# Altium PCB 通用工装板.PcbDoc (part 10 of 10)
Units mil, origin at the board's own origin, x right, y up, seen from the top; angles counter-clockwise.
Board outline 5905.51 x 3937.01 mil, 4 copper layers (L1, L2, L3, L4), stack 30.634 mil thick; 601 components, 576 nets, 2543 pads, 2986 vias.
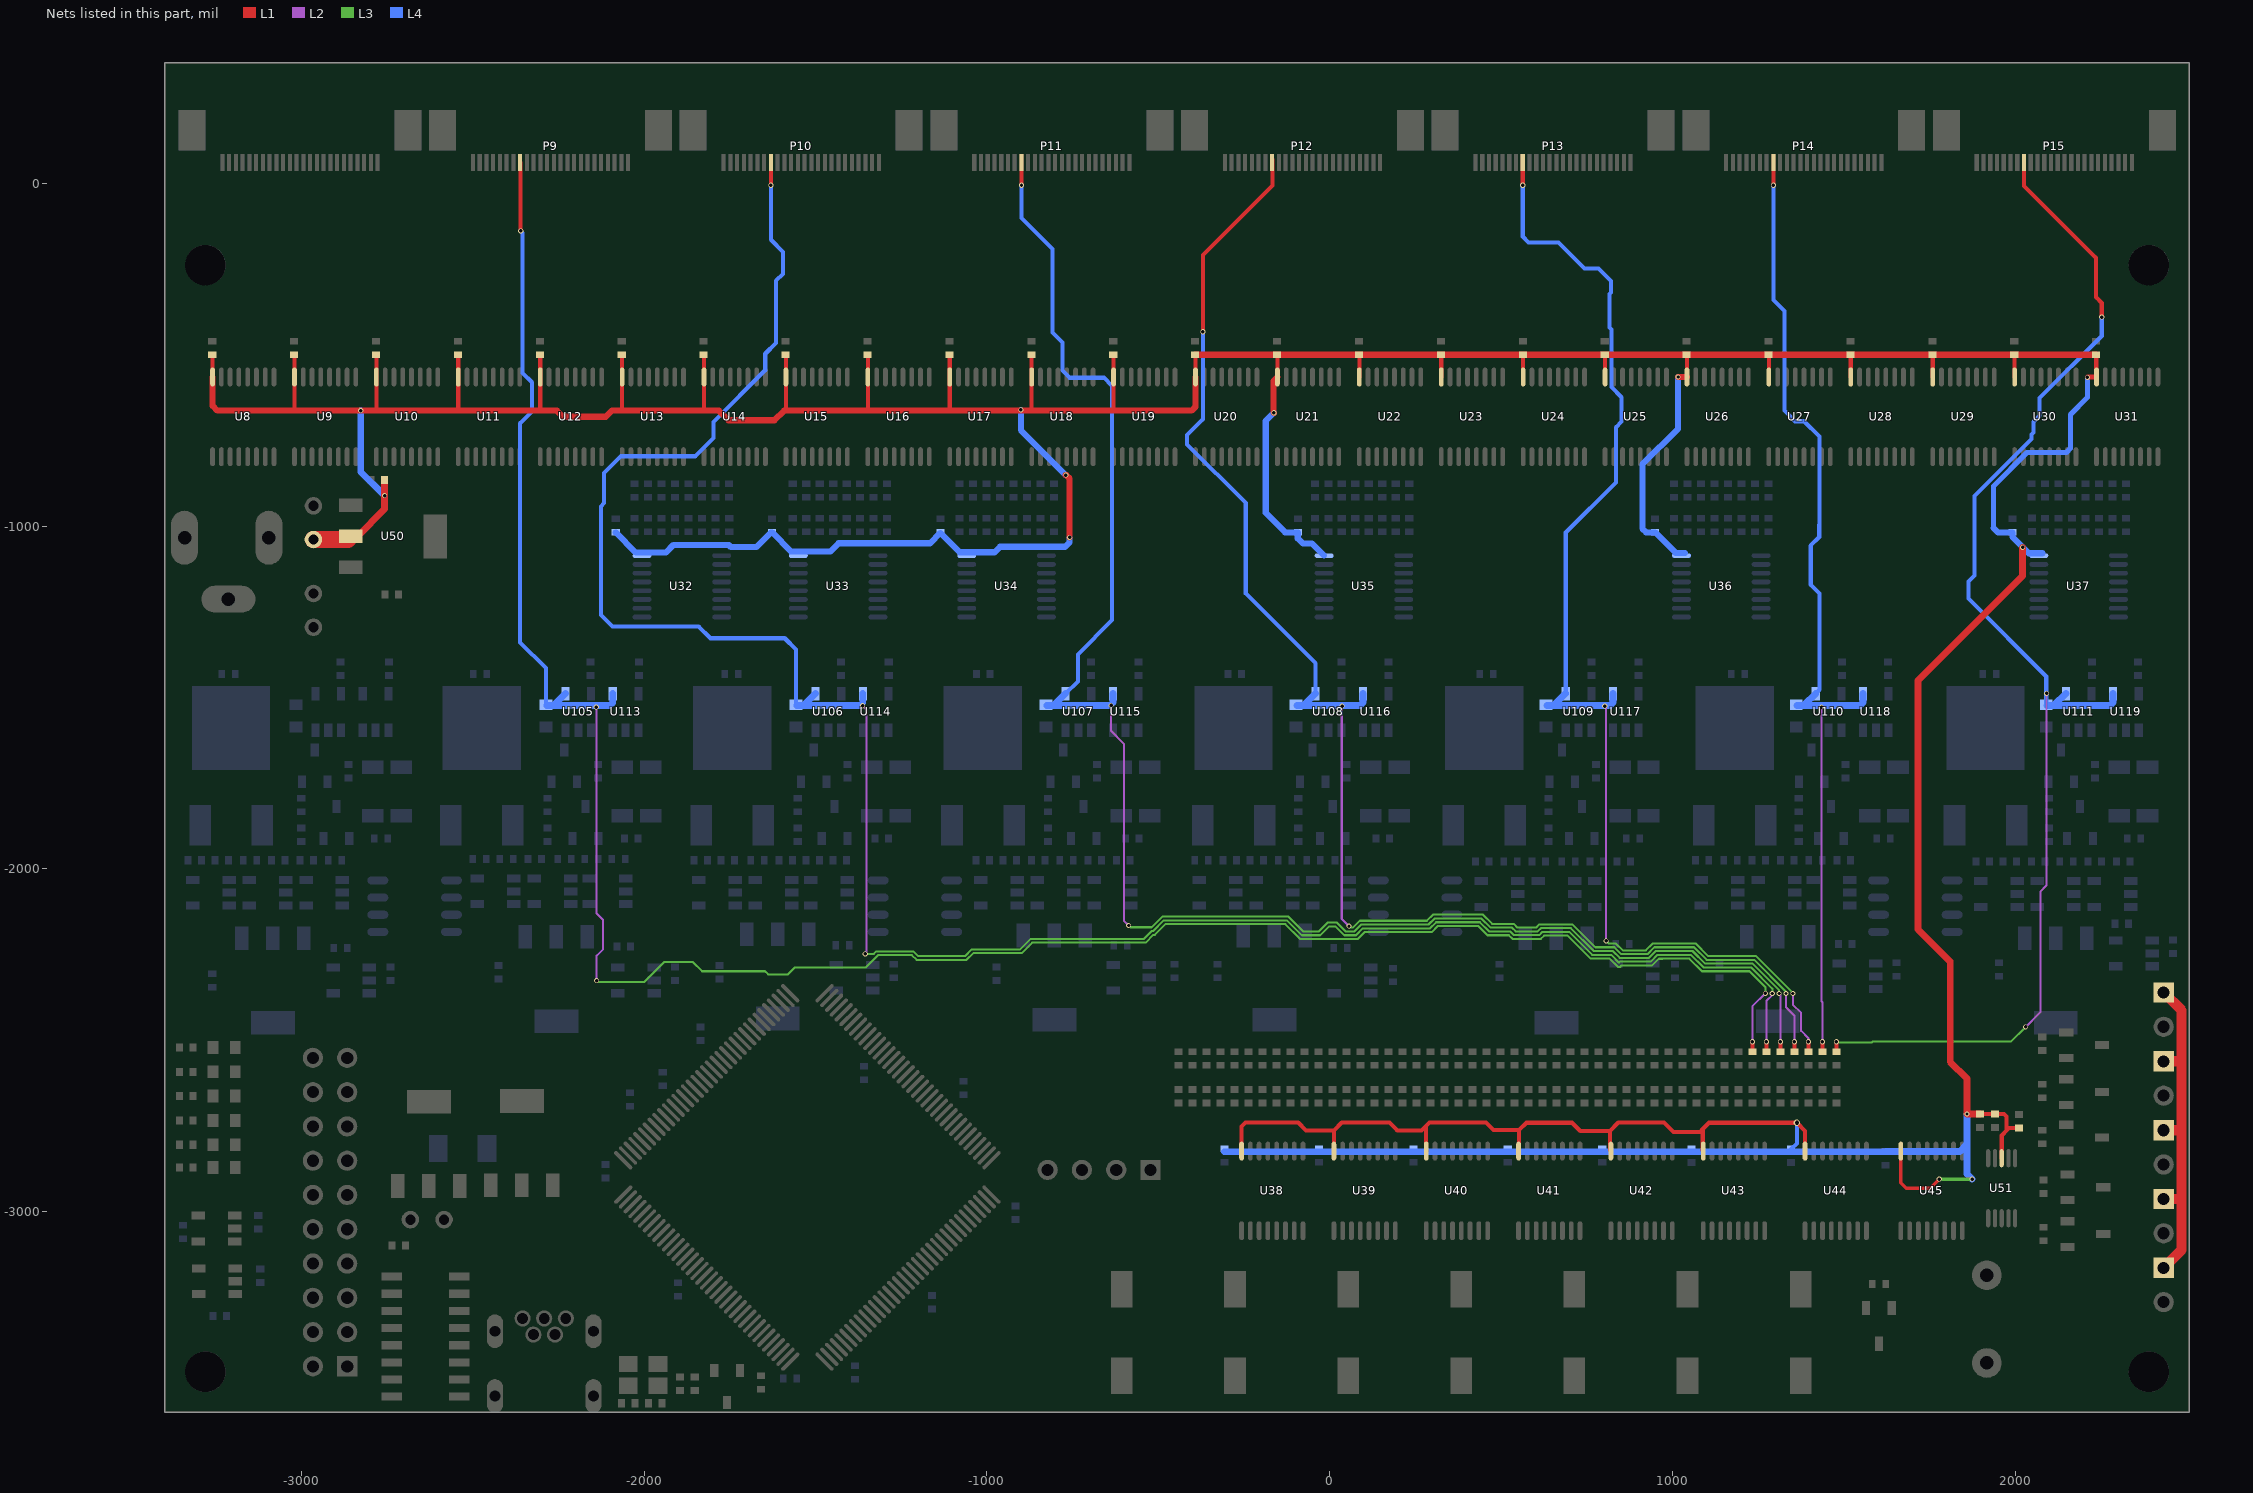
[diagram p12: the nets of this part, all layers, seen from the top]

## Via types
v1: diameter 15, hole 10, L1 to L4, tented both sides, 1853 vias
v2: diameter 18, hole 12, L1 to L4, tented both sides, 1133 vias

## Nets (pads, with @x,y where several pads share a name; then routed paths per layer and width w, separated by ;. In a path a pad name is that pad's centre, name@x,y a point inside that pad or via, vN(x,y) a via of type N, cw(c..) or ccw(c..) an arc to the next point about the centre after c; other vN are vias at no path point) (continued)
VCC+ADJ_1: P9.8 R134.1 R243.2 U105.4 U113.4 | length 6590.2
  L1 w12: P9.8@-2361.21,60.67 -2361.21,-137.79 v1(-2360.32,-138.67) ; R134.1@1233.02,-2533.32 v1(1233.02,-2504)
  L2 w6: v1(-2140,-1528) -2139,-1529 -2139,-2130 -2120,-2149 -2120,-2234 -2139,-2253 v1(-2139,-2326) ; v1(1233.02,-2504) 1233.02,-2400.98 v1(1271,-2363)
  L3 w6: v1(-2139,-2326) -2139,-2325 -2133.5,-2330.5 -2000.66,-2330.5 -1941.66,-2271.5 -1857.94,-2271.5 -1830.94,-2298.5 -1647.66,-2298.5 -1638.66,-2307.5 -1580.43,-2307.5 -1560.43,-2287.5 -1354.06,-2287.5 -1317.97,-2251.41 -1219.14,-2251.41 -1205.06,-2265.5 -1059.65,-2265.5 -1039.65,-2245.5 -898.67,-2245.5 -868.17,-2215 -537.26,-2215 -514.42,-2192.17 -510.64,-2192.17 -479.48,-2161 -129.52,-2161 -86.02,-2204.5 81.05,-2204.5 101.29,-2184.26 297.02,-2184.26 314.77,-2166.5 433.23,-2166.5 460.23,-2193.5 522.5,-2193.5 533,-2204 615.74,-2204 625.24,-2194.5 694.11,-2194.5 761.11,-2261.5 816.62,-2261.5 841.12,-2286 846.56,-2286 851.06,-2281.5 940.5,-2281.5 960,-2262 971,-2262 971.5,-2261.5 1048.98,-2261.5 1085.99,-2298.51 1224.51,-2298.51 1271,-2345 v1(1271,-2363)
  L4 w12: v1(-2360.32,-138.67) -2354.5,-144.49 -2354.5,-553.46 -2327.71,-580.25 -2327.71,-665.75 -2361.89,-699.93 -2361.89,-1339.11 -2286.64,-1414.36 R243.2@-2286.64,-1521.02
  L4 w20: R243.2@-2284.43,-1523.23 -2262.03,-1523.23 ; U105.4@-2229.55,-1488.54 -2262.03,-1521.02 -2262.03,-1523.23 ; U113.4@-2091.76,-1488.54 -2091.76,-1514.23 -2100.76,-1523.23 -2262.03,-1523.23
VCC+ADJ_2: P10.8 R146.1 R244.2 U106.4 U114.4 | length 6493.5
  L1 w12: v1(-1630.56,-5.7) P10.8@-1630.56,60.67 ; R146.1@1273.85,-2533.32 v1(1273.85,-2504)
  L2 w6: v1(-1363,-1524) -1351.5,-1535.5 -1351.5,-2244.5 v1(-1355,-2248) ; v1(1273.85,-2504) 1273.85,-2385.15 1291,-2368 v1(1291,-2363.5)
  L3 w6: v1(-1355,-2248) -1330.11,-2248 -1322.53,-2240.41 -1214.59,-2240.41 -1200.5,-2254.5 -1064.2,-2254.5 -1044.2,-2234.5 -903.23,-2234.5 -872.73,-2204 -541.81,-2204 -518.98,-2181.17 -515.2,-2181.17 -484.03,-2150 -124.96,-2150 -81.46,-2193.5 -28,-2193.5 -2,-2167.5 16.5,-2167.5 42.5,-2193.5 76.49,-2193.5 96.74,-2173.26 292.46,-2173.26 310.22,-2155.5 437.78,-2155.5 464.78,-2182.5 527.06,-2182.5 537.56,-2193 611.19,-2193 620.69,-2183.5 698.67,-2183.5 765.67,-2250.5 821.18,-2250.5 843.84,-2273.16 846.5,-2270.5 935.94,-2270.5 955.94,-2250.5 1053.53,-2250.5 1090.54,-2287.51 1229.07,-2287.51 1291,-2349.44 v1(1291,-2363.5)
  L4 w12: v1(-1630.56,-5.7) -1630.56,-164.44 -1595,-200 -1595,-264 -1615,-284 -1615,-465.17 -1646.92,-497.08 -1646.92,-545.12 -1798,-696.21 -1798,-743 -1851,-796 -2068,-796 -2116.9,-844.9 -2116.9,-932.98 -2126.5,-942.58 -2126.5,-1259.5 -2093,-1293 -1841,-1293 -1807,-1327 -1590,-1327 -1557.17,-1359.83 R244.2@-1557.17,-1521.02
  L4 w20: R244.2@-1554.96,-1523.23 -1532.56,-1523.23 ; U106.4@-1500.08,-1488.54 -1532.56,-1521.02 -1532.56,-1523.23 ; -1371.29,-1523.23 -1532.56,-1523.23 ; -1362.29,-1514.23 U114.4@-1362.29,-1488.54
VCC+ADJ_3: P11.8 R158.1 R245.2 U107.4 U115.4 | length 4954.6
  L1 w12: v1(-899.41,-5.7) P11.8@-899.41,60.67 ; R158.1@1314.68,-2533.32 v1(1314.68,-2504)
  L2 w6: v1(-638,-1523) -638,-1597.5 -600.5,-1635 -600.5,-2151.5 v1(-587,-2165) ; v1(1311,-2363.5) 1314.68,-2367.18 v1(1314.68,-2504)
  L3 w6: v1(-587,-2165) -581.83,-2170.17 -519.75,-2170.17 -488.59,-2139 -120.4,-2139 -76.9,-2182.5 -32.56,-2182.5 -6.56,-2156.5 21.06,-2156.5 47.06,-2182.5 71.94,-2182.5 92.18,-2162.26 287.91,-2162.26 305.66,-2144.5 442.34,-2144.5 469.34,-2171.5 531.61,-2171.5 542.11,-2182 606.63,-2182 616.13,-2172.5 703.23,-2172.5 770.23,-2239.5 825.73,-2239.5 845.73,-2259.5 931.39,-2259.5 951.39,-2239.5 1058.09,-2239.5 1095.1,-2276.51 1233.62,-2276.51 1311,-2353.89 v1(1311,-2363.5)
  L4 w12: v1(-899.41,-5.7) -899.41,-100.55 -809,-190.96 -809,-435 -780,-464 -780,-545.96 -758.96,-567 -659,-567 -635,-591 -635,-1274 -735,-1374 -735,-1452.93 U107.4@-770.61,-1488.54
  L4 w20: R245.2@-825.49,-1523.23 -803.09,-1523.23 ; U107.4@-770.61,-1488.54 -803.09,-1521.02 -803.09,-1523.23 ; v1@-641.81,-1523.23 -803.09,-1523.23 ; -632.81,-1514.23 U115.4@-632.81,-1488.54
VCC+ADJ_4: P12.8 R170.1 R246.2 U108.4 U116.4 | length 4334.2
  L1 w12: v1(-370,-433) -369.5,-432.5 -369.5,-208.71 -167.32,-6.52 P12.8@-167.32,70 ; R170.1@1355.51,-2533.32 v1(1355.51,-2504)
  L2 w6: v1(36,-1525) 35,-1526 35,-2146 v1(56,-2167) ; v1(1331,-2363.5) 1331,-2403 1355.51,-2427.51 v1(1355.51,-2504)
  L3 w6: v1(56,-2167) 56,-2168 59.5,-2171.5 67.38,-2171.5 87.62,-2151.26 283.35,-2151.26 301.11,-2133.5 446.89,-2133.5 473.89,-2160.5 536.17,-2160.5 546.67,-2171 602.07,-2171 611.57,-2161.5 707.78,-2161.5 774.78,-2228.5 830.29,-2228.5 850.29,-2248.5 926.83,-2248.5 946.83,-2228.5 1062.65,-2228.5 1099.66,-2265.51 1238.18,-2265.51 1331,-2358.33 v1(1331,-2363.5)
  L4 w12: v1(-370,-433) -370,-688.04 -416.22,-734.26 -416.22,-761.74 -245,-932.96 -245,-1196 -41.14,-1399.86 U108.4@-41.14,-1488.54
  L4 w20: R246.2@-96.02,-1523.23 -73.62,-1523.23 ; U108.4@-41.14,-1488.54 -73.62,-1521.02 -73.62,-1523.23 ; U116.4@96.66,-1488.54 96.66,-1514.23 87.66,-1523.23 -73.62,-1523.23
VCC+ADJ_5: P13.8 R184.1 R247.2 U109.4 U117.4 | length 3585.9
  L1 w12: v1(562.91,-5.7) P13.8@562.91,60.67 ; R184.1@1396.34,-2533.32 v1(1396.34,-2504)
  L2 w6: v1(802,-1525) 806,-1529 v1(806,-2210) ; v1(1351,-2363.5) 1351,-2396 1375,-2420 1375,-2472 1396.34,-2493.34 v1(1396.34,-2504)
  L3 w6: v1(806,-2210) 813.5,-2217.5 834.84,-2217.5 854.84,-2237.5 922.27,-2237.5 942.27,-2217.5 1067.2,-2217.5 1104.21,-2254.51 1243.93,-2254.51 1351,-2361.58 v1(1351,-2363.5)
  L4 w12: v1(562.91,-5.7) 562.91,-154.87 580.02,-171.98 667.19,-171.98 743.63,-248.42 783.62,-248.42 820.5,-285.3 820.5,-318.5 816,-323 816,-421 821.5,-426.5 821.5,-594.5 851,-624 851,-695.16 834.5,-711.66 834.5,-872.5 688.33,-1018.67 U109.4@688.33,-1488.54
  L4 w20: R247.2@633.45,-1523.23 655.85,-1523.23 ; U109.4@688.33,-1488.54 655.85,-1521.02 655.85,-1523.23 ; U117.4@826.13,-1488.54 826.13,-1514.23 817.13,-1523.23 655.85,-1523.23
VCC+ADJ_6: P14.8 R196.1 R248.2 U110.4 U118.4 | length 2923.2
  L1 w12: v1(1294.07,-5.7) P14.8@1294.07,60.67 ; R196.1@1437.17,-2533.32 v1(1437.17,-2504)
  L2 w6: v1(1435,-1528) 1435,-2386 1437.17,-2388.17 v1(1437.17,-2504)
  L4 w12: v1(1294.07,-5.7) 1294.07,-340.03 1326,-371.96 1326,-663.16 1356.84,-694 1384,-694 1429,-739 1429,-997 ; U110.4@1417.8,-1488.54 1429,-1477.35 1429,-1196.88 1403,-1170.88 1403,-1057.08 1428,-1032.08 1428,-997
  L4 w20: R248.2@1362.92,-1523.23 1385.32,-1523.23 ; U110.4@1417.8,-1488.54 1385.32,-1521.02 1385.32,-1523.23 ; U118.4@1555.6,-1488.54 1555.6,-1514.23 1546.6,-1523.23 1385.32,-1523.23
VCC+ADJ_7: P15.8 R208.1 R249.2 U111.4 U119.4 | length 3800.1
  L1 w12: R208.1@1478,-2533.32 v1(1478,-2504) ; P15.8@2025.23,60.67 2025.23,-7.39 2235,-217.16 2235,-332.16 2252,-349.16 v1(2252,-390)
  L2 w6: v1(2030,-2461) 2073,-2418 2073,-2066 2091,-2048 v1(2091,-1488)
  L3 w6: v1(1478,-2504) 1480,-2506 1581.3,-2506 1583.3,-2504 1987,-2504 v1(2030,-2461)
  L4 w12: R249.2@2090.19,-1521.02 2090.19,-1438.19 1863,-1211 1863,-1162 1881,-1144 1881,-912.21 2047.5,-745.71 2047.5,-732.34 2053.42,-726.42 2053.42,-695.42 2071,-677.84 2071,-626.04 2252,-445.04 v1(2252,-390)
  L4 w20: R249.2@2092.39,-1523.23 2114.8,-1523.23 ; U111.4@2147.28,-1488.54 2114.8,-1521.02 2114.8,-1523.23 ; U119.4@2285.07,-1488.54 2285.07,-1514.23 2276.07,-1523.23 2114.8,-1523.23
VCC_SPDT+5V0: C23.2 C130.2 C131.2 C132.2 C133.2 C134.2 C135.2 C136.2 C137.2 C138.2 C139.2 C140.1 C141.1 C142.1 C143.1 C144.1 C145.1 C146.1 C147.1 C148.1 C149.1 C150.2 C151.2 C152.2 C153.2 C154.2 C155.2 C156.2 C157.2 C158.2 C159.2 C160.1 C161.1 C162.1 C163.1 C164.1 C165.1 C166.1 C167.1 C168.1 C169.1 R172.2 R173.2 U8.16 U9.16 U10.16 U11.16 U12.16 U13.16 U14.16 U15.16 U16.16 U17.16 U18.16 U19.16 U20.16 U21.16 U22.16 U23.16 U24.16 U25.16 U26.16 U27.16 U28.16 U29.16 U30.16 U31.16 U32.16 U33.16 U34.16 U35.16 U36.16 U37.16 U38.16 U39.16 U40.16 U41.16 U42.16 U43.16 U44.16 U45.16 U50.2 U51.8 | length 20106.4
  L1 w10: U45.16@1665.98,-2823.19 1665.98,-2915.98 1681.5,-2931.5 1751.5,-2931.5 v1(1778,-2905)
  L1 w12: C130.2@-3260.2,-500.02 -3259.22,-501.01 U8.16@-3259.22,-564.98 ; C131.2@-3021.25,-500.02 -3020.26,-501.01 U9.16@-3020.26,-564.98 -3020.26,-662.26 -3021,-663 ; C132.2@-2782.29,-500.02 -2781.3,-501.01 U10.16@-2781.3,-564.98 -2781.3,-662.3 -2782,-663 ; -2545,-663 -2542.34,-660.34 U11.16@-2542.34,-564.98 -2542.34,-501.01 C133.2@-2543.33,-500.02 ; -2308,-663 -2303.38,-658.38 U12.16@-2303.38,-564.98 -2303.38,-501.01 C134.2@-2304.37,-500.02 ; -2067,-663 -2064.42,-660.42 U13.16@-2064.42,-564.98 -2064.42,-501.01 C135.2@-2065.41,-500.02 ; C136.2@-1826.45,-500.02 -1825.47,-501.01 U14.16@-1825.47,-564.98 -1825.47,-662.53 -1825,-663 ; C137.2@-1587.49,-500.02 -1586.51,-501.01 U15.16@-1586.51,-564.98 -1586.51,-662.49 -1586,-663 ; C138.2@-1348.53,-500.02 -1347.55,-501.01 U16.16@-1347.55,-564.98 -1347.55,-661.45 -1346,-663 ; -1110,-663 -1108.59,-661.59 U17.16@-1108.59,-564.98 -1108.59,-501.01 C139.2@-1109.57,-500.02 ; C140.1@-870.62,-500.02 -869.63,-501.01 U18.16@-869.63,-564.98 -869.63,-661.37 -868,-663 ; C141.1@-631.66,-500.02 -630.67,-501.01 U19.16@-630.67,-564.98 -630.67,-662.67 -631,-663 ; C142.1@-392.7,-500.02 -391.71,-501.01 U20.16@-391.71,-564.98 ; U38.16@-257.36,-2823.19 -257.36,-2751.36 -246,-2740 -92,-2740 -69,-2763 12,-2763 ; C143.1@-153.74,-500.02 -152.75,-501.01 U21.16@-152.75,-564.98 ; U39.16@12,-2823.17 12,-2763 ; C144.1@85.22,-500.02 86.21,-501.01 U22.16@86.21,-564.98 ; U40.16@281.39,-2823.19 280.5,-2822.3 280.5,-2750.5 ; C145.1@324.18,-500.02 325.17,-501.01 U23.16@325.17,-564.98 ; U41.16@550.77,-2823.19 552,-2821.96 552,-2762 ; C146.1@563.14,-500.02 564.13,-501.01 U24.16@564.13,-564.98 ; C147.1@802.1,-500.02 803.09,-501.01 U25.16@803.09,-564.98 ; U42.16@820.14,-2823.19 817,-2820.05 817,-2764 ; C148.1@1041.06,-500.02 1042.05,-501.01 U26.16@1042.05,-564.98 ; U43.16@1088,-2821.67 1088,-2759 ; C149.1@1280.02,-500.02 1281,-501.01 U27.16@1281,-564.98 ; U44.16@1386.45,-2823.19 1386.45,-2764.45 v2(1362.51,-2740.51) 1106.49,-2740.51 1088,-2759 ; C150.2@1518.98,-500.02 1519.96,-501.01 U28.16@1519.96,-564.98 ; C151.2@1757.94,-500.02 1758.92,-501.01 U29.16@1758.92,-564.98 ; R172.2@1897.28,-2714.92 R173.2@1940.58,-2714.92 1966.92,-2714.92 1974,-2722 1974,-2760 1976.09,-2762.09 ; U51.8@1960.27,-2843.86 1960.27,-2777.91 1976.09,-2762.09 ; C152.2@1996.9,-500.02 1997.88,-501.01 U30.16@1997.88,-564.98 ; C168.1@2011,-2755.69 1982.5,-2755.69 1976.09,-2762.09 ; C153.2@2235.86,-500.02 2235.86,-564 U31.16@2236.84,-564.98 ; 12,-2763 35,-2740 174,-2740 197,-2763 268,-2763 280.5,-2750.5 ; 280.5,-2750.5 291,-2740 456,-2740 478,-2762 552,-2762 ; 552,-2762 573.49,-2740.51 707.17,-2740.51 730.66,-2764 817,-2764 ; 817,-2764 841.5,-2739.5 975.53,-2739.5 1003.03,-2767 1080,-2767 1088,-2759
  L1 w15: v1(2210,-566) 2211.02,-564.98 U31.16@2236.84,-564.98
  L1 w18: U8.16@-3259.22,-564.98 -3259.22,-648.78 -3245,-663 -3021,-663 v1(-2827,-663) -2782,-663 -2545,-663 -2308,-663 -2255.06,-663 -2237.06,-681 -2112,-681 -2094,-663 -2067,-663 -1825,-663 -1782.06,-663 -1754.06,-691 -1619.94,-691 -1591.94,-663 -1586,-663 -1346,-663 -1110,-663 -868,-663 -631,-663 -403,-663 -391.71,-651.71 U20.16@-391.71,-564.98 ; v1(-770,-851) -769,-851 -759,-861 v1(-759,-1033) ; C142.1@-392.7,-500.02 C143.1@-153.74,-500.02 C144.1@85.22,-500.02 C145.1@324.18,-500.02 C146.1@563.14,-500.02 C147.1@802.1,-500.02 C148.1@1041.06,-500.02 C149.1@1280.02,-500.02 C150.2@1518.98,-500.02 C151.2@1757.94,-500.02 C152.2@1996.9,-500.02 C153.2@2235.86,-500.02 ; v1(-163,-669) -164,-668 -164,-576.23 U21.16@-152.75,-564.98 ; v1(1016,-565) U26.16@1042.05,-564.98
  L1 w20: U50.2@-2855.68,-1029.88 -2836.88,-1029.88 -2757.32,-950.32 v1(-2757.32,-911) C169.1@-2757.32,-865 ; R172.2@1897.28,-2714.92 1859.08,-2714.92 v1(1859,-2715) 1859,-2611.68 1810,-2562.68 1810,-2270 1716,-2176 1716,-1450.18 2021,-1145.18 v1(2021,-1062)
  L1 w50: C23.2@-2964.93,-1039.05 U50.2@-2864.84,-1039.05
  L3 w10: v1(1778,-2905) v1(1874,-2905)
  L4 w12: C161.1@1346,-2817.32 1362.51,-2800.81 v2(1362.51,-2740.51)
  L4 w15: 1936,-1005 1936,-883.37 2034.37,-785 2149,-785 2161,-773 2161,-674 2210,-625 v1(2210,-566)
  L4 w18: C159.2@-2083.04,-1018.07 -2024.11,-1077 -1937,-1077 -1915,-1055 -1752.91,-1055 -1746.91,-1061 -1672.6,-1061 -1629.67,-1018.07 C158.2@-1627.13,-1018.07 -1571.2,-1074 -1457,-1074 -1433,-1050 -1166,-1050 -1135.8,-1019.8 -1079.59,-1076 -978,-1076 -962,-1060 -772,-1060 -759,-1047 v1(-759,-1033) ; v1(-901,-661) -901,-720 v1(-770,-851) ; v1(-163,-669) -187,-693 -187,-961 -129.93,-1018.07 C156.2@-93.28,-1018.07 -93.28,-1035.72 -78,-1051 -51.49,-1051 U35.16@-16.5,-1085.98 ; v1(1016,-565) 1016,-716 912,-820 912,-1007 923.07,-1018.07 C155.2@949.24,-1018.07 1009.17,-1078 1036,-1078 ; 1936,-1005 1949.07,-1018.07 C154.2@1991.76,-1018.07 1991.76,-1031.76 2039,-1079 2079,-1079
  L4 w20: v1(-2827,-663) -2827,-841.32 v1(-2757.32,-911) ; C167.1@-307.45,-2825.16 C160.1@1621.68,-2825.16 1622.84,-2824 1838,-2824 1859,-2803 ; v1(1859,-2715) 1859,-2803 ; v1(1874,-2905) 1859,-2890 1859,-2803
VIN+12V0: P2.1 P3.1 P4.1 P5.1 P6.1 | length 997.9
  L1 w30: P2.1@2432.71,-3163.74 2485,-3111.45 2485,-2412.88 P6.1@2432.71,-2360.59 ; P3.1@2432.71,-2962.95 2483.05,-2962.95 ; P4.1@2432.71,-2762.17 2482.17,-2762.17 ; P5.1@2432.71,-2561.38 2484.38,-2561.38
pads on no net: J1.4 U1.7 U1.8 U1.9 U1.10 U1.11 U1.12 U1.13 U1.14 U1.15 U2.6 U2.14 U2.15 U2.47 U2.49 U2.50 U2.53 U2.54 U2.55 U2.79 U2.80 U2.81 U2.82 U2.85 U2.86 U2.93 U2.96 U2.97 U2.106 U2.110 U2.122 U2.123 U2.132 U3.4 U4.4 U5.4 U7.4 U50.4 U51.2 U51.6 U51.7 U52.4 U53.4 U54.4 U55.4 U56.4 U57.4 U58.4 U59.4 U60.4 U61.4 U62.4 U63.4 U64.4 U65.4 U66.4 U67.4 U68.4 U69.4 U70.4 U71.4 U72.4 U73.4 U74.4 U75.4 U76.4 U77.4 U78.4 U79.4 U80.4 U81.4 U82.4 U83.4 U84.4 U85.4 U86.4 U87.4 U88.4 U89.4 U90.4 U91.4

## Polygon pours and split planes (outlines as drawn)
VCC+12V0 on L3 "Top Layer-No Net" (solid, remove dead copper, pour order 6): -3325.88,-1492.88 -3325.88,-914.88 -3280,-869 -3266,-883 -2922,-883 -2800,-883 -2223,-1460
VCC+12V0 on L3 "Top Layer-No Net" (solid, remove dead copper, pour order 0): -3327,-2237 -3327,-1930 -3327,-1793 -3327,-1494 -3261,-1428 -3255,-1422 -2815,-1422 2386,-1422 2403,-1439 2402,-1440 2402,-2206.99
GND on L2 "Top Layer-No Net" (solid, remove dead copper, pour order 8): -3384,336 -3384,-3571 2475,-3571 2476,-3572 2488,-3572 2488,322 2490,324
GND on L1 "Top Layer-No Net" (solid, remove dead copper, pour order 16): -3384,336 -3384,-3571 2475,-3571 2476,-3572 2488,-3572 2488,322 2490,324
GND on L1 "Top Layer-No Net" (solid, remove dead copper, pour order 12): -3366,176 -3368,174 -3368,-1104 -3293,-1104 -3274,-1085 -3284,-1075 -3284,-301 -3284,-33 -3241,10 -3248,17 -3248,168
GND on L1 "Top Layer-No Net" (solid, remove dead copper, pour order 10): -3276,189 -3279,186 -3279,-60 -3279,-80 -3213,-146 -3201,-158 -3201,-287 -3201,-300 -3238,-337 -3308,-407 -3308,-520 -3308,-1071 -3311,-1074 -3316,-1079 -3355,-1079 -3355,192 -3356,193
GND on L4 "Top Layer-No Net" (solid, remove dead copper, pour order 18): -3384,336 -3384,-3571 2475,-3571 2476,-3572 2488,-3572 2488,322 2490,324

## Other copper
L1:
  rectangle net GND: 260,114 316,202
  rectangle net GND: -3391,-1115 -3345,336
  rectangle net VCC+12V0: -2570,-2532 -2518,-2497
  rectangle net VCC+12V0: -2591,-2532 -2538,-1875
  rectangle net GND: 329,131 974,184
  rectangle net GND: 929,155.16 2467,212
  rectangle net GND: -3359,148 -1087,338
  pour cut-out: -3277,-2340 2533,-2340 2560,-2367 2557,-2370 2557,-2464 2530,-2491 2526,-2487 -3277,-2487
L2:
  pour cut-out: -3390,-2341 2533,-2341 2560,-2368 2557,-2371 2557,-2465 2530,-2492 2526,-2488 -3439,-2488
L4:
  rectangle net GND: 411,-236 450,197
  rectangle net GND: -433,-236 444,-152
  rectangle net GND: -433,-205 -355,146
  rectangle net VCC+12V0: -2591,-2532 -2541,-2497
  rectangle net VCC+12V0: -2560,-2934 -2518,-2497
  rectangle net VCC+12V0: -90,-2174 -52,-2139
  rectangle net GND: 197,97 358,214
  rectangle net GND: 411,141 957,197
  rectangle net GND: 928,156 2442,211
  rectangle net GND: -3358,176 -355,338
  rectangle net GND: -1487,-1974.76 -1449.18,-1965
  pour cut-out: -3277.02,-2341 2533,-2341 2560,-2368 2557,-2371 2557,-2465 2530,-2492 2526,-2488 -3277.02,-2488
  region net GND: 232,110 235.3,106.7 215,4 291,6 363,-66 363,-163 362,-164 424,-164 424,-63 362,-1 362,37 372,47 372,118

## Silkscreen, mask and mechanical layers (free items; w line width, h text height)
Top Overlay:
  text "瑞臻信息技术-PCBA通用测试工装板-V1.00" at -1745,-1199 h150
  text "201903" at 856,-1284 h50
  text "Designed By Reason" at -1723,-1296 h50
  text "C" at -638,-2782 h50
  text "G" at -539,-2782 h50
  text "V" at -817,-2785 h50
  text "D" at -738,-2787 h50
Mechanical 1:
  the board outline again, w2
Drill Drawing:
  circle w10: c-3549.38,1242.27 r33.33
  lines w10: -3582.71,908.94 -3516.04,908.94 -3516.04,975.61 -3582.71,975.61 -3582.71,908.94 ; -3582.71,1075.61 -3566.04,1075.61 -3566.04,1058.94 -3532.71,1058.94 -3532.71,1075.61 -3516.04,1075.61 -3516.04,1108.94 -3532.71,1108.94 -3532.71,1125.61 -3566.04,1125.61 -3566.04,1108.94 -3582.71,1108.94 -3582.71,1075.61 ; -3582.71,1358.94 -3582.71,1375.61 -3566.04,1392.27 -3582.71,1408.94 -3582.71,1425.61 -3566.04,1425.61 -3549.38,1408.94 -3532.71,1425.61 -3516.04,1425.61 -3516.04,1408.94 -3532.71,1392.27 -3516.04,1375.61 -3516.04,1358.94 -3532.71,1358.94 -3549.38,1375.61 -3566.04,1358.94 -3582.71,1358.94 ; -3582.71,1575.61 -3516.04,1575.61 -3549.38,1508.94 -3582.71,1575.61 ; -3582.71,1658.94 -3549.38,1675.61 -3516.04,1658.94 -3532.71,1692.27 -3516.04,1725.61 -3549.38,1708.94 -3582.71,1725.61 -3566.04,1692.27 -3582.71,1658.94 ; -3582.71,1825.61 -3566.04,1825.61 -3549.38,1808.94 -3532.71,1825.61 -3516.04,1825.61 -3532.71,1842.27 -3516.04,1858.94 -3532.71,1858.94 -3549.38,1875.61 -3566.04,1858.94 -3582.71,1858.94 -3566.04,1842.27 -3582.71,1825.61 ; -3582.71,1992.27 -3549.38,1958.94 -3516.04,1992.27 -3549.38,2025.61 -3582.71,1992.27 ; -3582.71,2108.94 -3516.04,2108.94 -3516.04,2175.61 -3582.71,2175.61 -3582.71,2108.94 ; -3569.38,922.27 -3529.38,922.27 -3529.38,962.27 -3569.38,962.27 -3569.38,922.27
  lines w15: -3642.5,863.94 9765.73,863.94 ; -3642.5,2213.94 9765.73,2213.94 ; -3091.62,713.94 -3091.62,2363.94 ; -2431.8,713.94 -2431.8,2363.94 ; -1312.13,713.94 -1312.13,2363.94 ; -806.25,713.94 -806.25,2363.94 ; -72.45,713.94 -72.45,2363.94 ; 1117.2,713.94 1117.2,2363.94 ; 1707.05,713.94 1707.05,2363.94 ; 2452.85,713.94 2452.85,2363.94 ; 3722.47,713.94 3722.47,2363.94 ; 4576.24,713.94 4576.24,2363.94 ; 5909.85,713.94 5909.85,2363.94 ; 7243.45,713.94 7243.45,2363.94 ; 8363.13,713.94 8363.13,2363.94 ; -3642.5,713.94 9765.73,713.94 9765.73,2363.94 -3642.5,2363.94 -3642.5,713.94
  text "Symbol" at -3552.5,2258.94 h72
  text "Count" at -3046.62,2258.94 h72
  text "Hole Size" at -2386.8,2258.94 h72
  text "Plated" at -1267.13,2258.94 h72
  text "Hole Type" at -761.25,2258.94 h72
  text "Drill Layer Pair" at -27.45,2258.94 h72
  text "Via/Pad" at 1162.2,2258.94 h72
  text "Pad Shape" at 1752.05,2258.94 h72
  text "Template" at 2497.85,2258.94 h72
  text "Description" at 3767.47,2258.94 h72
  text "Hole Tolerance (+)" at 4621.24,2258.94 h72
  text "Hole Tolerance (-)" at 5954.85,2258.94 h72
  text "Hole Length" at 7288.45,2258.94 h72
  text "Routed Path Length" at 8408.13,2258.94 h72
  text "2" at -3046.62,2108.94 h60
  text "39.37mil (1.000mm)" at -2386.8,2108.94 h60
  text "PTH" at -1267.13,2108.94 h60
  text "Round" at -761.25,2108.94 h60
  text "L1 - L4" at -27.45,2108.94 h60
  text "Pad" at 1162.2,2108.94 h60
  text "Rounded" at 1752.05,2108.94 h60
  text "c220h100" at 2497.85,2108.94 h60
  text "-" at 7288.45,2108.94 h60
  text "-" at 8408.13,2108.94 h60
  text "3" at -3046.62,1958.94 h60
  text "39.37mil (1.000mm)" at -2386.8,1958.94 h60
  text "PTH" at -1267.13,1958.94 h60
  text "Slot" at -761.25,1958.94 h60
  text "L1 - L4" at -27.45,1958.94 h60
  text "Pad" at 1162.2,1958.94 h60
  text "Rounded" at 1752.05,1958.94 h60
  text "r400_200h100_300r100" at 2497.85,1958.94 h60
  text "118.11mil (3.000mm)" at 7288.45,1958.94 h60
  text "78.74mil (2.000mm)" at 8408.13,1958.94 h60
  text "4" at -3046.62,1808.94 h60
  text "31.50mil (0.800mm)" at -2386.8,1808.94 h60
  text "PTH" at -1267.13,1808.94 h60
  text "Slot" at -761.25,1808.94 h60
  text "L1 - L4" at -27.45,1808.94 h60
  text "Pad" at 1162.2,1808.94 h60
  text "Rounded" at 1752.05,1808.94 h60
  text "r250_120h80_200r100" at 2497.85,1808.94 h60
  text "78.74mil (2.000mm)" at 7288.45,1808.94 h60
  text "47.24mil (1.200mm)" at 8408.13,1808.94 h60
  text "4" at -3046.62,1658.94 h60
  text "118.11mil (3.000mm)" at -2386.8,1658.94 h60
  text "NPTH" at -1267.13,1658.94 h60
  text "Round" at -761.25,1658.94 h60
  text "L1 - L4" at -27.45,1658.94 h60
  text "Pad" at 1162.2,1658.94 h60
  text "Rounded" at 1752.05,1658.94 h60
  text "c300hn300" at 2497.85,1658.94 h60
  text "-" at 7288.45,1658.94 h60
  text "-" at 8408.13,1658.94 h60
  text "5" at -3046.62,1508.94 h60
  text "31.50mil (0.800mm)" at -2386.8,1508.94 h60
  text "PTH" at -1267.13,1508.94 h60
  text "Round" at -761.25,1508.94 h60
  text "L1 - L4" at -27.45,1508.94 h60
  text "Pad" at 1162.2,1508.94 h60
  text "Rounded" at 1752.05,1508.94 h60
  text "c120h80" at 2497.85,1508.94 h60
  text "-" at 7288.45,1508.94 h60
  text "-" at 8408.13,1508.94 h60
  text "6" at -3046.62,1358.94 h60
  text "29.53mil (0.750mm)" at -2386.8,1358.94 h60
  text "PTH" at -1267.13,1358.94 h60
  text "Round" at -761.25,1358.94 h60
  text "L1 - L4" at -27.45,1358.94 h60
  text "Pad" at 1162.2,1358.94 h60
  text "Rounded" at 1752.05,1358.94 h60
  text "c130h75" at 2497.85,1358.94 h60
  text "-" at 7288.45,1358.94 h60
  text "-" at 8408.13,1358.94 h60
  text "34" at -3046.62,1208.94 h60
  text "35.43mil (0.900mm)" at -2386.8,1208.94 h60
  text "PTH" at -1267.13,1208.94 h60
  text "Round" at -761.25,1208.94 h60
  text "L1 - L4" at -27.45,1208.94 h60
  text "Pad" at 1162.2,1208.94 h60
  text "(Mixed)" at 1752.05,1208.94 h60
  text "(Mixed)" at 2497.85,1208.94 h60
  text "-" at 7288.45,1208.94 h60
  text "-" at 8408.13,1208.94 h60
  text "1133" at -3046.62,1058.94 h60
  text "12.00mil (0.305mm)" at -2386.8,1058.94 h60
  text "PTH" at -1267.13,1058.94 h60
  text "Round" at -761.25,1058.94 h60
  text "L1 - L4" at -27.45,1058.94 h60
  text "Via" at 1162.2,1058.94 h60
  text "Rounded" at 1752.05,1058.94 h60
  text "v46h30" at 2497.85,1058.94 h60
  text "-" at 7288.45,1058.94 h60
  text "-" at 8408.13,1058.94 h60
  text "1853" at -3046.62,908.94 h60
  text "10.00mil (0.254mm)" at -2386.8,908.94 h60
  text "PTH" at -1267.13,908.94 h60
  text "Round" at -761.25,908.94 h60
  text "L1 - L4" at -27.45,908.94 h60
  text "Via" at 1162.2,908.94 h60
  text "Rounded" at 1752.05,908.94 h60
  text "v38h25" at 2497.85,908.94 h60
  text "-" at 7288.45,908.94 h60
  text "-" at 8408.13,908.94 h60
  text "3044 Total" at -3046.62,758.94 h60
  text "Slot definitions :" at -3552.5,613.97 h60
  text "Routed Path Length" at -2519.81,613.97 h60
  text "= Calculated from tool start centre position to tool end centre position." at -1417.14,613.97 h60
  text "Hole Length" at -2519.81,513.99 h60
  text "= Routed Path Length + Tool Size = Slot length as defined in the PCB layout" at -1827.01,513.99 h60

## Text inside footprints (layer, text, board x,y; h text height)
J1: Top Overlay "VCC" at -2356.7,-3423.27 h39.37 r90; Top Overlay "D-" at -2317.14,-3423.3 h39.37 r90; Top Overlay "D+" at -2277.14,-3423.3 h39.37 r90; Top Overlay "ID" at -2237.14,-3423.3 h39.37 r90; Top Overlay "GND" at -2196.7,-3423.3 h39.37 r90
P1: Top Overlay "2" at -2946.5,-3551.14 h30 r90; Top Overlay "1" at -2846.5,-3551.14 h30 r90; Top Overlay "19" at -2846.5,-2491.14 h30 r90; Top Overlay "20" at -2946.5,-2491.14 h30 r90